# Altium PCB PCB1.PcbDoc (part 1 of 6) (continued)
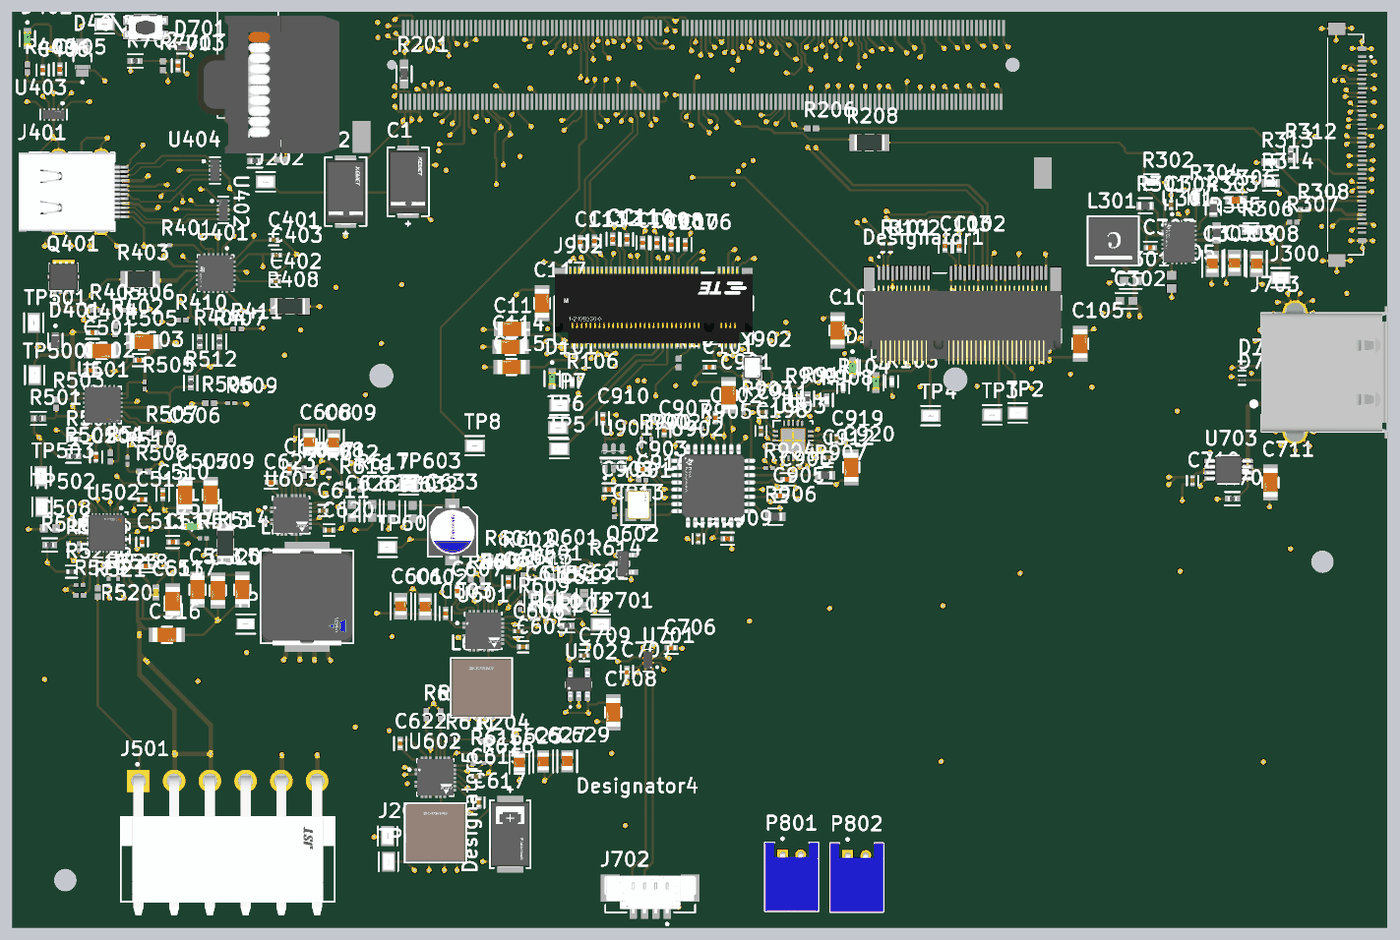
[diagram p13: 3D render of the assembled board from above, using the file's embedded part models]
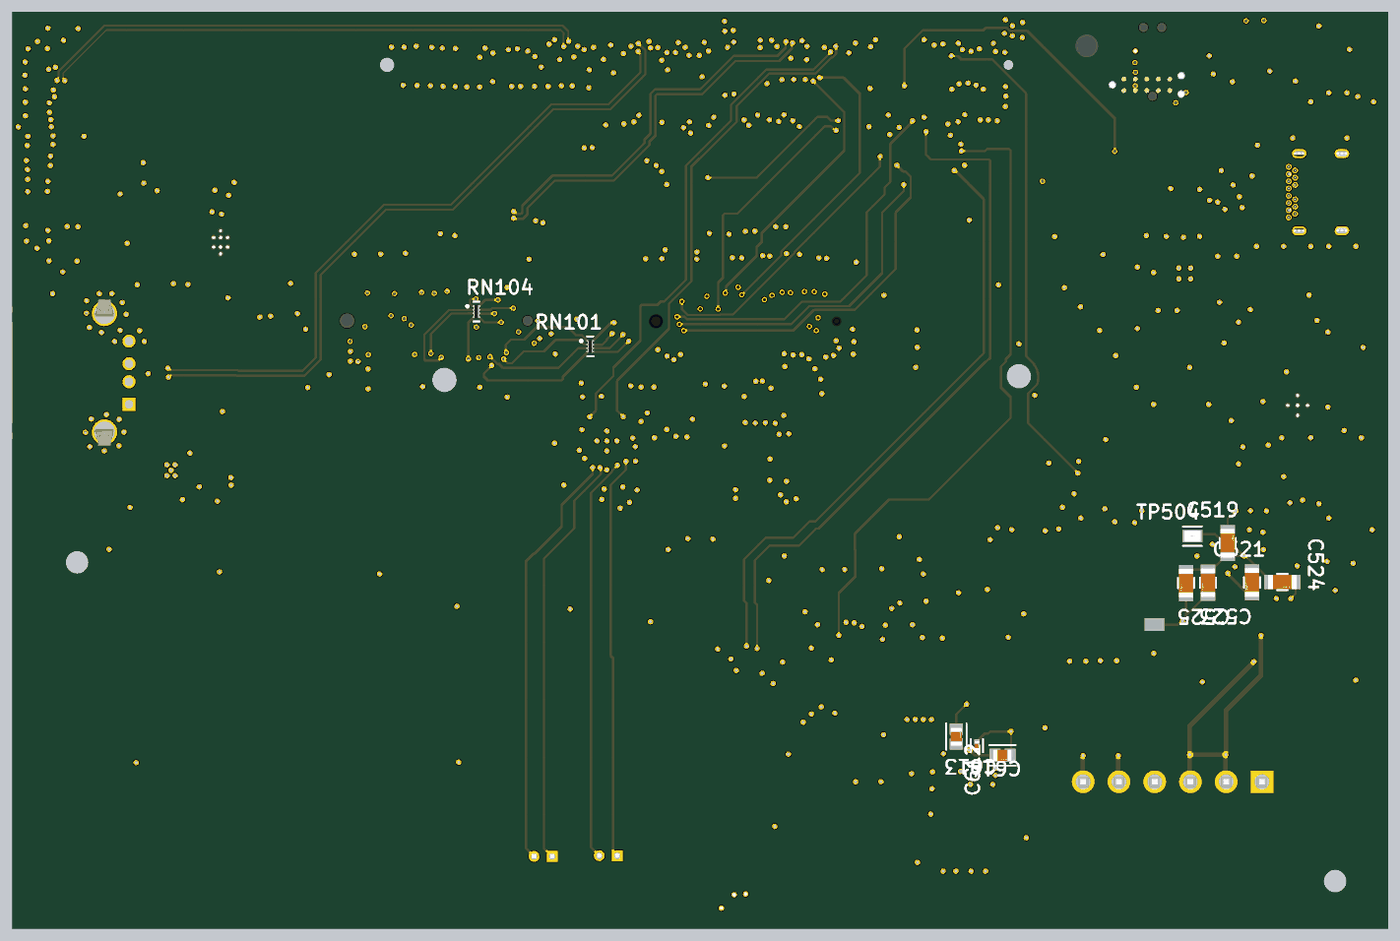
[diagram p14: 3D render of the assembled board from below, using the file's embedded part models]

## Layer stack, top to bottom
Top Solder: solder mask 0.0102, Solder Resist, Dk 3.5
L1-CU: signal copper 0.0175
PP 2116 RC58%: core 0.1195, FR-4 PP 2116 RC58%, Dk 4.45
GND: signal copper 0.035
CORE: core 0.23, Core-009, Dk 4.6
L3-CU-PWR: signal copper 0.035
PP 7628 RC46%: prepreg 0.175, FR-4 PP 7628 RC46%, Dk 4.74
L4-CU: signal copper 0.035
CORE2: core 0.23, Core-009, Dk 4.6
L5-CU-GND: signal copper 0.035
PP2 7628 RC46%: prepreg 0.175, FR-4 PP 7628 RC46%, Dk 4.74
L6-CU: signal copper 0.035
CORE3: core 0.23, Core-009, Dk 4.6
L7-CU-GND: signal copper 0.035
PP2 2116 RC58%: prepreg 0.1195, FR-4 PP 2116 RC58%, Dk 4.45
L8-CU: signal copper 0.0175
Bottom Solder: solder mask 0.0102, Solder Resist, Dk 3.5

## Board outline
25.4,25.4 177.8,25.4 177.8,127 25.4,127

## Design rules (kind name [scope] priority, off if disabled: settings)
Clearance "Stitching GND" [IsStitchingVia and InNet('GND') vs (IsVia and (Not IsStitchingVia)) Or IsPad] p1: gap=0.127 ignorepadtopadclearanceinfootprint=FALSE
Clearance [All] p2: gap=0.13 ignorepadtopadclearanceinfootprint=FALSE
ComponentClearance [All] p1: gap=0 collisioncheckmode=3 verticalgap=0 showdistances=FALSE
DiffPairsRouting DiffPairsRouting_1 [InDifferentialPairClass('PCIE')] p1: maxlimit=0.3 minlimit=0.254 mostfreqgap=0.3 toplayer_mingap=0.3 toplayer_minwidth=0.249 toplayer_maxwidth=0.249 toplayer_prefwidth=0.249 midlayer1_mingap=0.3 midlayer1_minwidth=0.167 midlayer1_maxwidth=0.167 midlayer1_prefwidth=0.167 midlayer2_mingap=0.3 midlayer2_minwidth=0.167 midlayer2_maxwidth=0.167 midlayer2_prefwidth=0.167 midlayer4_mingap=0.3 midlayer4_minwidth=0.167 midlayer4_maxwidth=0.167 midlayer4_prefwidth=0.167 bottomlayer_mingap=0.3 bottomlayer_minwidth=0.249 bottomlayer_maxwidth=0.249 bottomlayer_prefwidth=0.249 impedanceprofiledriven=TRUE impedanceprofileid={7D916DF6-123A-43E1-B644-0DB39090FD2C} impedanceprofilevalue=85.000000 maxuncoupledlength=12.7
DiffPairsRouting DiffPairsRouting_2 [InDifferentialPairClass('USB')] p2: maxlimit=0.3 minlimit=0.254 mostfreqgap=0.3 toplayer_mingap=0.3 toplayer_minwidth=0.249 toplayer_maxwidth=0.249 toplayer_prefwidth=0.249 midlayer1_mingap=0.3 midlayer1_minwidth=0.167 midlayer1_maxwidth=0.167 midlayer1_prefwidth=0.167 midlayer2_mingap=0.3 midlayer2_minwidth=0.167 midlayer2_maxwidth=0.167 midlayer2_prefwidth=0.167 midlayer4_mingap=0.3 midlayer4_minwidth=0.167 midlayer4_maxwidth=0.167 midlayer4_prefwidth=0.167 bottomlayer_mingap=0.3 bottomlayer_minwidth=0.249 bottomlayer_maxwidth=0.249 bottomlayer_prefwidth=0.249 impedanceprofiledriven=TRUE impedanceprofileid={E132E84A-B575-414F-AC1E-14452AE44C28} impedanceprofilevalue=90.000000 maxuncoupledlength=12.7
DiffPairsRouting [InDifferentialPairClass('eDP')] p3: maxlimit=0.3 minlimit=0.127 mostfreqgap=0.3 toplayer_mingap=0.3 toplayer_minwidth=0.206 toplayer_maxwidth=0.206 toplayer_prefwidth=0.206 midlayer1_mingap=0.3 midlayer1_minwidth=0.13 midlayer1_maxwidth=0.13 midlayer1_prefwidth=0.13 midlayer2_mingap=0.3 midlayer2_minwidth=0.13 midlayer2_maxwidth=0.13 midlayer2_prefwidth=0.13 midlayer4_mingap=0.3 midlayer4_minwidth=0.13 midlayer4_maxwidth=0.13 midlayer4_prefwidth=0.13 bottomlayer_minwidth=0.206 bottomlayer_maxwidth=0.206 bottomlayer_prefwidth=0.206 impedanceprofiledriven=TRUE impedanceprofileid={2CE41B01-3A3A-4D95-B01E-FB354DC266AF} impedanceprofilevalue=100.000000 maxuncoupledlength=12.7
HoleSize [All] p1: absolutevalues=TRUE maxlimit=3 minlimit=0.17 maxpercent=80.000 minpercent=20.000
HoleToHoleClearance [All] p1: gap=0.16 allowstackedmicrovias=TRUE
MinimumAnnularRing [All] p1: minimumring=0.1
MinimumSolderMaskSliver MinimumSolderMaskSliver_3 [InComponent('J301')] p1: minsoldermaskwidth=0
MinimumSolderMaskSliver MinimumSolderMaskSliver_1 [IsVia] p2: minsoldermaskwidth=-0.1
MinimumSolderMaskSliver [All] p3: minsoldermaskwidth=0.075
MinimumSolderMaskSliver MinimumSolderMaskSliver_2 [IsPad AND (HoleDiameter > 0)] p4: minsoldermaskwidth=0.01
PolygonConnect [All] p1: connectstyle=Relief reliefconductorwidth=0.254 reliefentries=4 polygonreliefangle="90 Angle" airgapwidth=0.254
RoomDefinition eDPCHECKED [False] p1: confinementstyle=ConfineIn formatcopy=TRUE lockcomponents=FALSE outline 143.739,126.263 178.054,126.263 178.054,93.751 143.739,93.751
RoutingVias [All] p1: holewidth=0.35 width=0.6 viastyle="Through Hole" minholewidth=0.3 minwidth=0.6 maxholewidth=0.711 maxwidth=1.27
ShortCircuit ShortCircuit_1 [All] p1: allowed=FALSE
ShortCircuit [InNet('SYS_IN1') vs InPadClass('All Pads')] p2: allowed=TRUE
SilkToSilkClearance SilkToSilkClearance_1 [All] p1: silktosilkclearance=0
SilkToSolderMaskClearance [IsPad] p1: minsilkscreentomaskgap=0 clearancetoexposedcopper=TRUE
SolderMaskExpansion [All] p1: expansion=0.102 istentingtop=FALSE
SupplyNets "Schematic Supply Nets_3" [InNet('SYS_IN')] p1: voltage=0.000
SupplyNets "Schematic Supply Nets_6" [InNet('5V_OUT')] p2: voltage=0.000
SupplyNets "Schematic Supply Nets_5" [InNet('3V3_VDRV')] p3: voltage=0.000
SupplyNets "Schematic Supply Nets_4" [InNet('3V3_M2')] p4: voltage=0.000
SupplyNets "Schematic Supply Nets_2" [InNet('+5')] p5: voltage=0.000
SupplyNets "Schematic Supply Nets_1" [InNet('1V8_LDO')] p6: voltage=0.000
SupplyNets "Schematic Supply Nets" [InNet('6V0_SW')] p7: voltage=0.000
Width Width_1 [InNetClass('eDP')] p1: maxlimit=0.218 minlimit=0.13 preferedwidth=0.13 toplayer_minwidth=0.206 toplayer_maxwidth=0.206 toplayer_prefwidth=0.206 midlayer1_maxwidth=0.13 midlayer2_maxwidth=0.13 midlayer4_maxwidth=0.13 bottomlayer_minwidth=0.218 bottomlayer_prefwidth=0.218 impedanceprofiledriven=TRUE impedanceprofileid={7FF194CA-6560-49CA-8BC5-E6589CD94D0C} impedanceprofilevalue=50.000000 minimp=50.000000 maximp=50.000000 favimp=50.000000
Width [InNetClass('USB')] p2: maxlimit=0.25 minlimit=0.167 preferedwidth=0.167 toplayer_minwidth=0.249 toplayer_maxwidth=0.249 toplayer_prefwidth=0.249 midlayer1_maxwidth=0.167 midlayer2_maxwidth=0.167 midlayer4_maxwidth=0.167 bottomlayer_minwidth=0.25 bottomlayer_prefwidth=0.25 impedanceprofiledriven=TRUE impedanceprofileid={44F2A446-9D66-40E8-AE00-ED9A340D8BD4} impedanceprofilevalue=45.000000 minimp=50.000000 maximp=50.000000 favimp=50.000000
22 further rules are at their usual default settings.

## Classes and differential pairs
net class PCIE: C_PCIE0_RX0_N C_PCIE0_RX0_P C_PCIE0_RX1_N C_PCIE0_RX1_P C_PCIE0_RX2_N C_PCIE0_RX2_P C_PCIE0_TX0_N C_PCIE0_TX0_P C_PCIE0_TX1_N C_PCIE0_TX1_P C_PCIE0_TX2_N C_PCIE0_TX2_P C_PCIE0_TX3_N C_PCIE0_TX3_P NetC102_1 NetC110_2 NetC111_2 NetC112_2 NetC113_2 PCIE0_CLK_N PCIE0_CLK_P PCIE0_RX3_N PCIE0_RX3_P PCIE1_CLK_N PCIE1_CLK_P PCIE1_RX0_N PCIE1_RX0_P PCIE1_TX0_N PCIE1_TX0_P
net class eDP: NetJ15A_63 NetJ15A_65 NetJ15A_69 NetJ15A_71 NetJ15A_75 NetJ15A_77 NetJ15A_81 NetJ15A_83 NetJ15A_98 NetJ15A_100
differential pair class USB: USB_AUDIO USB_AUDIO_B USB_PCIE USB_PCIE_B USB_TOUCHPAD USB_TOUCHPAD_B USBTOUCHPAD_2
differential pair class eDP: DP1_TX0 DP1_TX1 DP1_TX2 DP1_TX3 eDP_AUX
differential pair class PCIE: PCIE0_CLK PCIE0_RX0 PCIE0_RX1 PCIE0_RX2 PCIE0_RX3 PCIE0_TX0 PCIE0_TX0_B PCIE0_TX1 PCIE0_TX2 PCIE0_TX3 PCIE1_RX0 PCIE1_TX0 PCIE1_TX0_B PCIE_CLK PCIE_TX2_B PCIE_TX3 PCIE_TX3_B USB_PCIE
net class USB: NetD703_1 NetD704_1 NetJ15A_115 NetJ15A_117 NetR900_2 NetR902_2 USB_D_N USB_D_P
component class SoM: C1 C2 J201 J202 R201 R202 R203 R204 R205 R206 R207 R208
component class Power_Delivery: C401 C402 C403 C404 C405 C406 D40\2 D401 D402 J401 Q401 R401 R402 R403 R404 R405 R406 R407 R408 R409 R410 R411 U401 U402 U403 U404
component class Peripherals: C703 C706 C707 C708 C709 C710 C711 D701 D703 J701 J702 J703 R701 R702 R703 S701 TP700 TP701 U701 U702 U703
component class PCIE: 3 C101 C102 C103 C104 C105 C106 C107 C109 C110 C112 C113 C114 C115 C116 C117 D101 D102 D103 J902 R101 R102 R104 R105 R106 RN101 RN104 TP2 TP3 TP4 TP5 TP6 TP7 Y902
component class eDP: C301 C302 C303 C304 C305 C306 C307 C308 C309 J300 J301 L301 R301 R302 R303 R304 R305 R306 R307 R308 R312 R313 R314 U301
component class DCDC: C601 C602 C603 C604 C605 C606 C607 C608 C609 C610 C611 C612 C613 C614 C615 C616 C617 C618 C619 C620 C621 C622 C623 C625 C626 C627 C628 C629 C630 C632 C633 D601 L601 L603 Q601 Q602 R601 R602 R603 R604 R605 R606 R607 R608 R609 R610 R611 R612 R613 R614 R615 R616 R617 R618 TP602 TP603 U601 U602 U603
component class Battery: C501 C502 C503 C504 C505 C506 C507 C508 C509 C510 C511 C512 C513 C514 C515 C516 C517 C518 C519 C520 C521 C522 C523 C524 C525 D501 J501 R501 R502 R503 R504 R505 R506 R507 R508 R509 R510 R511 R512 R513 R514 R515 R516 R517 R518 R519 R520 R521 R522 R523 TP500 TP501 TP502 TP503 TP504 TP505 U501 U502
component class Audio: C198 C901 C902 C903 C904 C905 C908 C909 C910 C911 C912 C913 C914 C919 C920 P801 P802 R900 R902 R903 R904 R905 R906 R907 R908 R909 R910 U901 U902 U903 Y901
differential pair USB_TOUCHPAD_B: +USB2_1_D+ -USB2_1_D-
differential pair PCIE1_TX0_B: +NetC103_2 -PCIE1_TX0_N
differential pair USB_PCIE_B: +USB_E_P -USB_E_N
differential pair USB_AUDIO_B: +NetR900_2 -NetR902_2
differential pair PCIE0_TX0_B: +NetC106_2 -NetC107_2
differential pair PCIE_TX3_B: +NetC112_2 -NetC113_2
differential pair PCIE_TX2_B: +NetC110_2 -NetC111_2
differential pair DP1_TX3: +NetJ15A_83 -NetJ15A_81
differential pair DP1_TX1: +NetJ15A_69 -NetJ15A_71
differential pair DP1_TX2: +NetJ15A_77 -NetJ15A_75
differential pair DP1_TX0: +NetJ15A_65 -NetJ15A_63
differential pair eDP_AUX: +NetJ15A_100 -NetJ15A_98
differential pair PCIE0_CLK: +PCIE0_CLK_P -PCIE0_CLK_N
differential pair PCIE0_TX2: +C_PCIE0_TX2_P -C_PCIE0_TX2_N
differential pair PCIE_CLK: +PCIE1_CLK_P -PCIE1_CLK_N
differential pair USB_PCIE: +NetJ15A_117 -NetJ15A_115
differential pair PCIE0_RX0: +C_PCIE0_RX0_P -C_PCIE0_RX0_N
differential pair PCIE0_RX1: +C_PCIE0_RX1_P -C_PCIE0_RX1_N
differential pair PCIE0_TX1: +C_PCIE0_TX1_P -C_PCIE0_TX1_N
differential pair PCIE0_TX0: +C_PCIE0_TX0_P -C_PCIE0_TX0_N
differential pair PCIE1_TX0: +PCIE1_TX0_P -NetC102_1
differential pair PCIE0_TX3: +C_PCIE0_TX3_P -C_PCIE0_TX3_N
differential pair PCIE_TX3: +C_PCIE0_TX3_P -C_PCIE0_TX3_N
differential pair PCIE0_RX2: +C_PCIE0_RX2_P -C_PCIE0_RX2_N
differential pair PCIE0_RX3: +PCIE0_RX3_P -PCIE0_RX3_N
differential pair PCIE1_RX0: +PCIE1_RX0_P -PCIE1_RX0_N
differential pair USBTOUCHPAD_2: +NetD704_1 -NetD703_1
differential pair USB_TOUCHPAD: +NetD704_1 -NetD703_1
differential pair USB_AUDIO: +USB_D_P -USB_D_N

## Components (designator, comment, footprint, x,y, rotation, side; value= is the part's Value field where it differs from the comment)
C1 "100uF" FP-T521D107M025ATE040-MFG 69.279,108.119 r270 top
C2 "100uF" FP-T521D107M025ATE040-MFG 62.368,107.042 r270 top
C101 "100nF" FP-GRM155-0_05-IPC_B 102.701,87.579 r0 top
C102 "220n" FP-C1005-050-0_05-IPC_B 130.35,100.995 r270 top
C103 "220n" FP-C1005-050-0_05-IPC_B 128.769,100.995 r270 top
C104 "10μF" FP-GRM31C-0_2-e0_3_0_8-MFG 116.874,91.66 r90 top
C105 "10μF" FP-GRM31C-0_2-e0_3_0_8-MFG 143.764,90.168 r90 top
C106 "220n" FP-C1005-050-0_05-IPC_B 99.991,101.168 r270 top
C107 "220n" FP-C1005-050-0_05-IPC_B 98.418,101.168 r270 top
C108 "220n" FP-C1005-050-0_05-IPC_B 96.846,101.33 r270 top
C109 "220n" FP-C1005-050-0_05-IPC_B 95.274,101.362 r270 top
C110 "220n" FP-C1005-050-0_05-IPC_B 93.523,101.727 r270 top
C111 "220n" FP-C1005-050-0_05-IPC_B 91.95,101.754 r270 top
C112 "220n" FP-C1005-050-0_05-IPC_B 89.941,101.546 r270 top
C113 "220n" FP-C1005-050-0_05-IPC_B 88.369,101.474 r270 top
C114 "10μF" FP-GRM31C-0_2-e0_3_0_8-MFG 80.635,89.821 r180 top
C115 "10μF" FP-GRM31C-0_2-e0_3_0_8-MFG 80.745,87.605 r180 top
C116 "10μF" FP-GRM31C-0_2-e0_3_0_8-MFG 80.796,91.821 r180 top
C117 "10μF" FP-GRM31C-0_2-e0_3_0_8-MFG 84.125,94.668 r90 top
C198 "1µF" FP-GRM15-0_1-MFG 108.382,80.499 r90 top value=1uF
C301 "22u" FP-CL10-IPC_B 149.367,97.115 r180 top
C302 "22u" FP-CL10-IPC_B 148.869,94.92 r180 top
C303 "0.1 µF" FP-GRM155-0_05-IPC_B 151.536,100.813 r0 top
C304 "1µF" FP-GRM15-0_1-MFG 153.823,105.573 r90 top value=1uF
C305 "22nf" CAPC1608X90X35ML10T15 153.885,97.028 r90 top
C306 "3.9n" FP-GRM188-0_1-e0_2_0_5-IPC_B 161.022,106.108 r0 top
C307 "22u 25v" FP-GRM21B-0_2-e0_2_0_7-IPC_B 158.394,99.035 r270 top
C308 "22u 25v" FP-GRM21B-0_2-e0_2_0_7-IPC_B 163.307,99.043 r270 top
C309 "22u 25v" FP-GRM21B-0_2-e0_2_0_7-IPC_B 160.851,99.131 r270 top
C401 "1µF" FP-GRM15-0_1-MFG 54.4,101.7 r0 top value=1uF
C402 "1µF" FP-GRM15-0_1-MFG 54.6,97.1 r0 top value=1uF
C403 "1µF" FP-GRM15-0_1-MFG 54.71,99.996 r0 top value=1uF
C404 "100nF" FP-GRM155-0_05-IPC_B 34.3,91.4 r0 top
C405 "100n" FP-GRM155-0_05-IPC_B 30.7,120.6 r90 top
C406 "1u" FP-GRM155-0_1-IPC_C 28.8,120.5 r90 top
C501 "10μF" FP-GRM31C-0_2-e0_3_0_8-MFG 35.314,89.36 r0 top
C502 "0.1 µF" FP-GRM155-0_05-IPC_B 34.1,87.2 r0 top
C503 "0.1 µF" FP-GRM155-0_05-IPC_B 39.489,88.36 r180 top
C504 "100nF" FP-GRM155-0_05-IPC_C 34.7,77.621 r270 top
C505 "10μF" FP-GRM31C-0_2-e0_3_0_8-MFG 40,90.4 r180 top
C506 "4.7nF" CAPC1005X55X25LL05T10 43,79.9 r90 top
C507 "10μF" FP-GRM31C-0_2-e0_3_0_8-MFG 44.6,73.425 r270 top
C508 "4.7µF" CAPC1608X90X35NL10T15 29.6,69.7 r180 top
C509 "10μF" FP-GRM31C-0_2-e0_3_0_8-MFG 47.4,73.425 r270 top
C510 "0.1 µF" FP-GRM155-0_05-IPC_B 42.1,73.471 r270 top
C511 "47nF" FP-GRM155-0_05-MFG 39.802,68.199 r270 top
C512 "47nF" FP-GRM155-0_05-MFG 39.8,72.9 r0 top
C513 "1nF" CAPC1005X55X25ML5T10 41.346,62.592 r270 top
C514 "0.1 µF" FP-GRM155-0_05-IPC_B 43.2,68.2 r0 top
C515 "0.1 µF" FP-GRM155-0_05-IPC_B 40.229,65.5 r0 top
C516 "10μF" FP-GRM31C-0_2-e0_3_0_8-MFG 42.575,57.9 r0 top
C517 "10μF" FP-GRM31C-0_2-e0_3_0_8-MFG 43.2,61.6 r90 top
C518 "10μF" FP-GRM31C-0_2-e0_3_0_8-MFG 45.946,62.902 r270 top
C519 "10μF" FP-GRM31C-0_2-e0_3_0_8-MFG 43.2,68.125 r90 bottom
C520 "10μF" FP-GRM31C-0_2-e0_3_0_8-MFG 48.2,62.8 r270 top
C521 "10μF" FP-GRM31C-0_2-e0_3_0_8-MFG 40.5,63.775 r270 bottom
C522 "10μF" FP-GRM31C-0_2-e0_3_0_8-MFG 50.9,62.9 r270 top
C523 "10μF" FP-GRM31C-0_2-e0_3_0_8-MFG 45.381,63.747 r270 bottom
C524 "10μF" FP-GRM31C-0_2-e0_3_0_8-MFG 37.146,63.827 r180 bottom
C525 "10μF" FP-GRM31C-0_2-e0_3_0_8-MFG 47.8,63.7 r270 bottom
C601 "22u 25v" FP-GRM21B-0_2-e0_2_0_7-IPC_B 68.469,61.075 r90 top
C602 "22u 25v" FP-GRM21B-0_2-e0_2_0_7-IPC_B 71.179,61.014 r90 top
C603 "100nF" FP-GRM155-0_05-IPC_B 73.447,60.273 r90 top
C604 "100nF" FP-GRM155-0_05-IPC_B 80.405,63.75 r90 top
C605 "4u7" FP-GRM155-0_2-MFG 82.03,56.571 r0 top
C606 "1µF" FP-GRM15-0_1-MFG 81.5,58.3 r0 top value=1uF
C607 "100nF" FP-GRM155-0_05-IPC_B 74.7,62.729 r270 top
C608 "22u 25v" FP-GRM21B-0_2-e0_2_0_7-IPC_B 58.328,79.275 r90 top
C609 "22u 25v" FP-GRM21B-0_2-e0_2_0_7-IPC_B 61.039,79.216 r90 top
C610 "100nF" FP-GRM155-0_05-IPC_B 56.126,76.314 r90 top
C611 "1µF" FP-GRM15-0_1-MFG 59.866,71.673 r0 top value=1uF
C612 "22u 25v" FP-GRM21B-0_2-e0_2_0_7-IPC_B 68.133,44.629 r180 bottom
C613 "22u 25v" FP-GRM21B-0_2-e0_2_0_7-IPC_B 73.245,46.695 r90 bottom
C614 "100nF" FP-GRM155-0_05-IPC_B 70.977,45.698 r90 bottom
C615 "1µF" FP-GRM15-0_1-MFG 76.816,42.192 r0 top value=1uF
C616 "22u" FP-CL10-IPC_B 84.968,61.614 r270 top
C617 "4u7" FP-GRM155-0_2-MFG 77.1,39.3 r270 top
C618 "22u" FP-CL10-IPC_B 83.056,61.64 r270 top
C619 "22u" FP-CL10-IPC_B 86.88,61.303 r270 top
C620 "4u7" FP-GRM155-0_2-MFG 60.525,69.5 r0 top
C621 "22u" FP-CL10-IPC_B 88.792,61.784 r270 top
C622 "100nF" FP-GRM155-0_05-IPC_B 68.417,45.84 r270 top
C623 "100nF" FP-GRM155-0_05-IPC_B 54.1,74.8 r180 top
C625 "10u" FP-GRM21B-0_15-IPC_C 81.604,43.748 r270 top
C626 "22u" FP-CL10-IPC_B 63.056,71.64 r270 top
C627 "10u" FP-GRM21B-0_15-IPC_C 84.258,43.864 r270 top
C628 "22u" FP-CL10-IPC_B 65.292,71.64 r270 top
C629 "10u" FP-GRM21B-0_15-IPC_C 86.912,43.882 r270 top
C630 "22u" FP-CL10-IPC_B 67.458,71.524 r270 top
C632 "22u" FP-CL10-IPC_B 69.8,71.527 r270 top
C633 "100u" FP-OS-CON-SMT-B6-MFG 74.2,69.3 r90 top
C703 "0.1 µF" FP-GRM155-0_05-IPC_B 43.79,121.009 r270 top
C706 "100nF" FP-GRM155-0_05-IPC_B 98.447,56.464 r180 top
C707 "100nF" FP-GRM155-0_05-IPC_B 93.523,53.743 r90 top
C708 "10μF" FP-GRM31C-0_2-e0_3_0_8-MFG 92,49.3 r270 top
C709 "1µF" FP-GRM15-0_1-MFG 88.8,55.6 r0 top value=1uF
C710 "1µF" FP-GRM15-0_1-MFG 156.2,75 r270 top value=1uF
C711 "10μF" FP-GRM31C-0_2-e0_3_0_8-MFG 164.846,74.779 r270 top
C901 "10μF" FP-GRM31C-0_2-e0_3_0_8-MFG 104.797,84.463 r90 top
C902 "0.1 µF" FP-GRM155-0_05-IPC_B 103.345,81.98 r90 top
C903 "0.1 µF" FP-GRM155-0_05-IPC_B 95.259,76.236 r180 top
C904 "1µF" FP-GRM15-0_1-MFG 101.426,68.561 r270 top value=1uF
C905 "0.1 µF" FP-GRM155-0_05-IPC_B 110.506,73.307 r0 top
C906 "0.1 µF" FP-GRM155-0_05-IPC_B 111.274,75.133 r0 top
C907 "0.1 µF" FP-GRM155-0_05-IPC_B 97.655,80.553 r90 top
C908 "0.1 µF" FP-GRM155-0_05-IPC_B 91.544,74.002 r0 top
C909 "0.1 µF" FP-GRM155-0_05-IPC_B 104.677,68.555 r180 top
C910 "0.1 µF" FP-GRM155-0_05-IPC_B 90.856,81.886 r90 top
C911 "1µF" FP-GRM15-0_1-MFG 108.553,82.601 r0 top value=1uF
C912 "1µF" FP-GRM15-0_1-MFG 115.812,77.569 r180 top value=1uF
C913 "15p" CAPC1005X55X25LL05T10 92.146,71.389 r270 top
C914 "15p" CAPC1005X55X25LL05T10 95.237,75.05 r0 top
C919 "1µF" FP-GRM15-0_1-MFG 116.764,79.629 r270 top locked value=1uF
C920 "10μF" FP-GRM31C-0_2-e0_3_0_8-MFG 118.381,76.475 r270 top
D40\2 "SMF24A" FP-SMF24A-MFG 33.2,121.9 r90 top
D101 "Green" FP-LTST-C190GKT-MFG 85.242,86.297 r270 top
D102 "Green" FP-LTST-C190GKT-MFG 118.523,87.51 r270 top
D103 "Green" FP-LTST-C190GKT-MFG 121.13,85.859 r270 top
D401 "ESDA25P35-1U1M" FP-QFN_1610-MFG 30.2,90.5 r270 top
D402 "Green LED" FP-LTST-C190GKT-MFG 27.1,124 r270 top
D501 "LED_GREEN" FP-SML-D12-MFG 45.325,69.9 r0 top
D601 "ESD9X5.0ST5G" ONSC-SOD-923-2-514AA-01_V 83.329,64.749 r90 top
D701 "TPD1E0B04DPYR" FP-DPY0002A-MFG 44.206,122.949 r0 top
D703 "TPD1E0B04DPLR" FP-DPL0002A-MFG 161.682,86.119 r0 top
D704 "TPD1E0B04DPLR" FP-DPL0002A-MFG 161.682,87.714 r0 top
Designator1 "Comment" TE_21992304 130.708,92.759 r0 top locked
Designator4 "Comment" FP-SRP6050CA-MFG 72.307,35.946 r0 top
Designator5 "Comment" FP-POSCAP-D2-MFG 80.6,35.8 r90 top
J201 "S2751-46R1" FP-S2751-46R-MFG#1 67,35.6 r90 top
J202 "S2751-46R1" FP-S2751-46R-MFG#1 53.492,108.128 r0 top
J300 "TP_10V_OUT" FP-S2751-46R-MFG#1 165.964,97.485 r180 top
J301 "20455-040E-76" IPEX_20455-040E-76 173.08,112.25 r270 top
J401 "632723300011" 632723300011 31.75,107 r270 top
J501 "B6PS-VH (LF)(SN)" FP-B6PS-VH_LF_SN-MFG 49.3,33 r0 top
J701 "TC2050-IDC-NL" TAG-CONNECT_TC2050-IDC-NL 52.149,118.892 r180 top
J702 "533980471" FP-533980471-MFG 96.114,29.083 r0 top
J703 "292303-1" TE-292303-1_V 166,87 r90 top
J902 "1-2199230-6" FP-1-2199230-6-MFG 96.503,94.071 r0 top
L301 "2.2u" FP-XAL5030-222MEC-MFG 147.416,101.571 r90 top
L601 "1u/20a" FP-SRP6050CA-MFG 77.412,52.021 r0 top value=1uH
L603 "0.56µH/27.5A" FP-IHLP-4040DZ-FP_3_175x4-MFG 58.09,62.103 r270 top
P801 "S2B-PH-K-S(LF)(SN)" JST-S2B-PH-K-S_V 111.785,31.064 r0 top
P802 "S2B-PH-K-S(LF)(SN)" JST-S2B-PH-K-S_V 118.999,30.988 r0 top
Q401 "STL6P3LLH6" TRANS_STL6P3LLH6 31.1,97.6 r90 top
Q601 "IRLML6402TRPBF" FP-Micro3-MFG 85.985,65.25 r0 top
Q602 "BSS138" FP-318-08-IPC_B 93.11,65.8 r180 top
R101 "0R" RESC1005X40X25LL05T05 121.859,100.759 r270 top
R102 "0R" RESC1005X40X25LL05T05 122.72,100.759 r270 top
R104 "200R" FP-CR0402-IPC_C 117.487,85.324 r270 top
R105 "200R" FP-CR0402-IPC_C 122.885,85.977 r270 top
R106 "200R" FP-CR0402-IPC_C 87.452,85.903 r270 top
R201 "22.4A" FP-HCJ0603-MFG 68.834,120.081 r270 top
R202 "100k" FP-RC0402-0_4-IPC_A 86.879,58.9 r0 top
R203 "100" RESC1005X40X25ML05T10#1 55.263,110.592 r180 top
R204 "100" RESC1005X40X25ML05T10#1 77.875,46.1 r180 top
R205 "100k" FP-RC0402-0_4-IPC_A 52.3,110.436 r180 top
R206 "100" RESC1005X40X25ML05T10#1 113.995,114.046 r180 top
R207 "RC0402FR-0747KL" RESC1005X40X25ML05T10#2 99.238,88.044 r270 top
R208 "1k" RESC3216X60X45ML15T20 120.397,112.471 r0 top
R301 "301k" FP-CRCW0603-e3-IPC_C 150.983,105.461 r0 top
R302 "100k" FP-CRCW0603C-e3-MFG 151.638,108.102 r180 top
R303 "18.2k" FP-CRCW0603-e3-IPC_C 158.516,105.208 r90 top
R304 "100k" FP-CRCW0603C-e3-MFG 156.616,106.451 r270 top
R305 "732k" FP-CRCW0603-e3-IPC_B 158.894,102.467 r90 top
R306 "100k" FP-CRCW0603C-e3-MFG 162.662,102.692 r0 top
R307 "0" RESC1005X40X25NL05T10#1 167.361,103.657 r0 top
R308 "0" RESC1005X40X25NL05T10#1 168.555,105.041 r0 top
R312 "100k" FP-RC0402-0_4-IPC_A 167.081,111.078 r90 top
R313 "100k" FP-CRCW0603C-e3-MFG 164.863,110.307 r0 top
R314 "100k" FP-CRCW0603C-e3-MFG 164.871,107.975 r0 top
R401 "10k" RESC1005X40X25LL05T10#1 42.475,101.1 r0 top
R402 "100" RESC1005X40X25ML05T10#1 36.8,91.7 r90 top
R403 "1k" RESC3216X60X45ML15T20 39.6,97.3 r180 top
R404 "100k" FP-RC0402-0_4-IPC_A 46.2,90.4 r270 top
R405 "100k" RESC1005X40X25NL05T10#2 34.725,93.9 r180 top
R406 "22k" RESC1005X40X25NL05T05 38.4,93.9 r180 top
R407 "100k" FP-RC0402-0_4-IPC_A 48.385,90.39 r270 top
R408 "1k" RESC3216X60X45ML15T20 56.2,94.3 r0 top
R409 "4k7" RESC1005X40X25NL10T10 27.1,120.7 r270 top
R410 "22k" RESC1005X40X25NL05T10#2 44.225,92.8 r180 top
R411 "22k" RESC1005X40X25NL05T10#2 50.375,91.8 r0 top
R501 "100k" FP-RC0402-0_4-IPC_A 28.321,81.9 r0 top
R502 "100k" FP-RC0402-0_4-IPC_A 32.195,77.71 r0 top
R503 "649k" RESC1005X40X25ML05T10#1 30.3,83.525 r90 top
R504 "1.8m" FP-CRCW0402-e3-MFG 32.225,79.6 r180 top
R505 "289k" RESC1005X40X25LL05T10#1 40.1,85.525 r90 top
R506 "100" RESC1005X40X25ML05T10#1 47.3,83.6 r0 top
R507 "100" RESC1005X40X25ML05T10#1 41.1,80.3 r180 top
R508 "100" RESC1005X40X25ML05T10#1 40,76 r180 top
R509 "10k" RESC1005X40X25LL05T10#1 49.675,83.6 r0 top
R510 "10k" RESC1005X40X25LL05T10#1 38.2,77.2 r90 top
R511 "3.57k" RESC1005X40X25ML05T10#1 36.3,77.6 r90 top
R512 "100k" FP-RC0402-0_4-IPC_A 45.2,85.821 r90 top
R513 "10k" RESC1005X40X25LL05T10#2 46.583,68.596 r180 top
R514 "1k" RESC3216X60X45ML15T20 49.037,68.047 r270 top
R515 "100k" FP-RC0402-0_4-IPC_A 29.561,67.86 r180 top
R516 "10k" RESC1005X40X25LL05T10#3 32.8,67.625 r90 top
R517 "10k" RESC1005X40X25LL05T10#3 31.6,67.625 r90 top
R518 "10k" RESC1005X40X25LL05T10#3 37.155,63.726 r90 top
R519 "10k" RESC1005X40X25LL05T10#3 32.875,63.4 r0 top
R520 "0" RESC1005X40X25NL05T10#3 32.885,62.296 r180 top